# Altium PCB develboard_eva.PcbDoc (part 4 of 4)
Units mm, origin at the board's own origin, x right, y up, seen from the top; angles counter-clockwise.
Board outline 84 x 120 mm, 4 copper layers (Top Layer, Inner, GND, Bottom Layer), stack 1.668 mm thick; 201 components, 260 nets, 1028 pads, 870 vias.
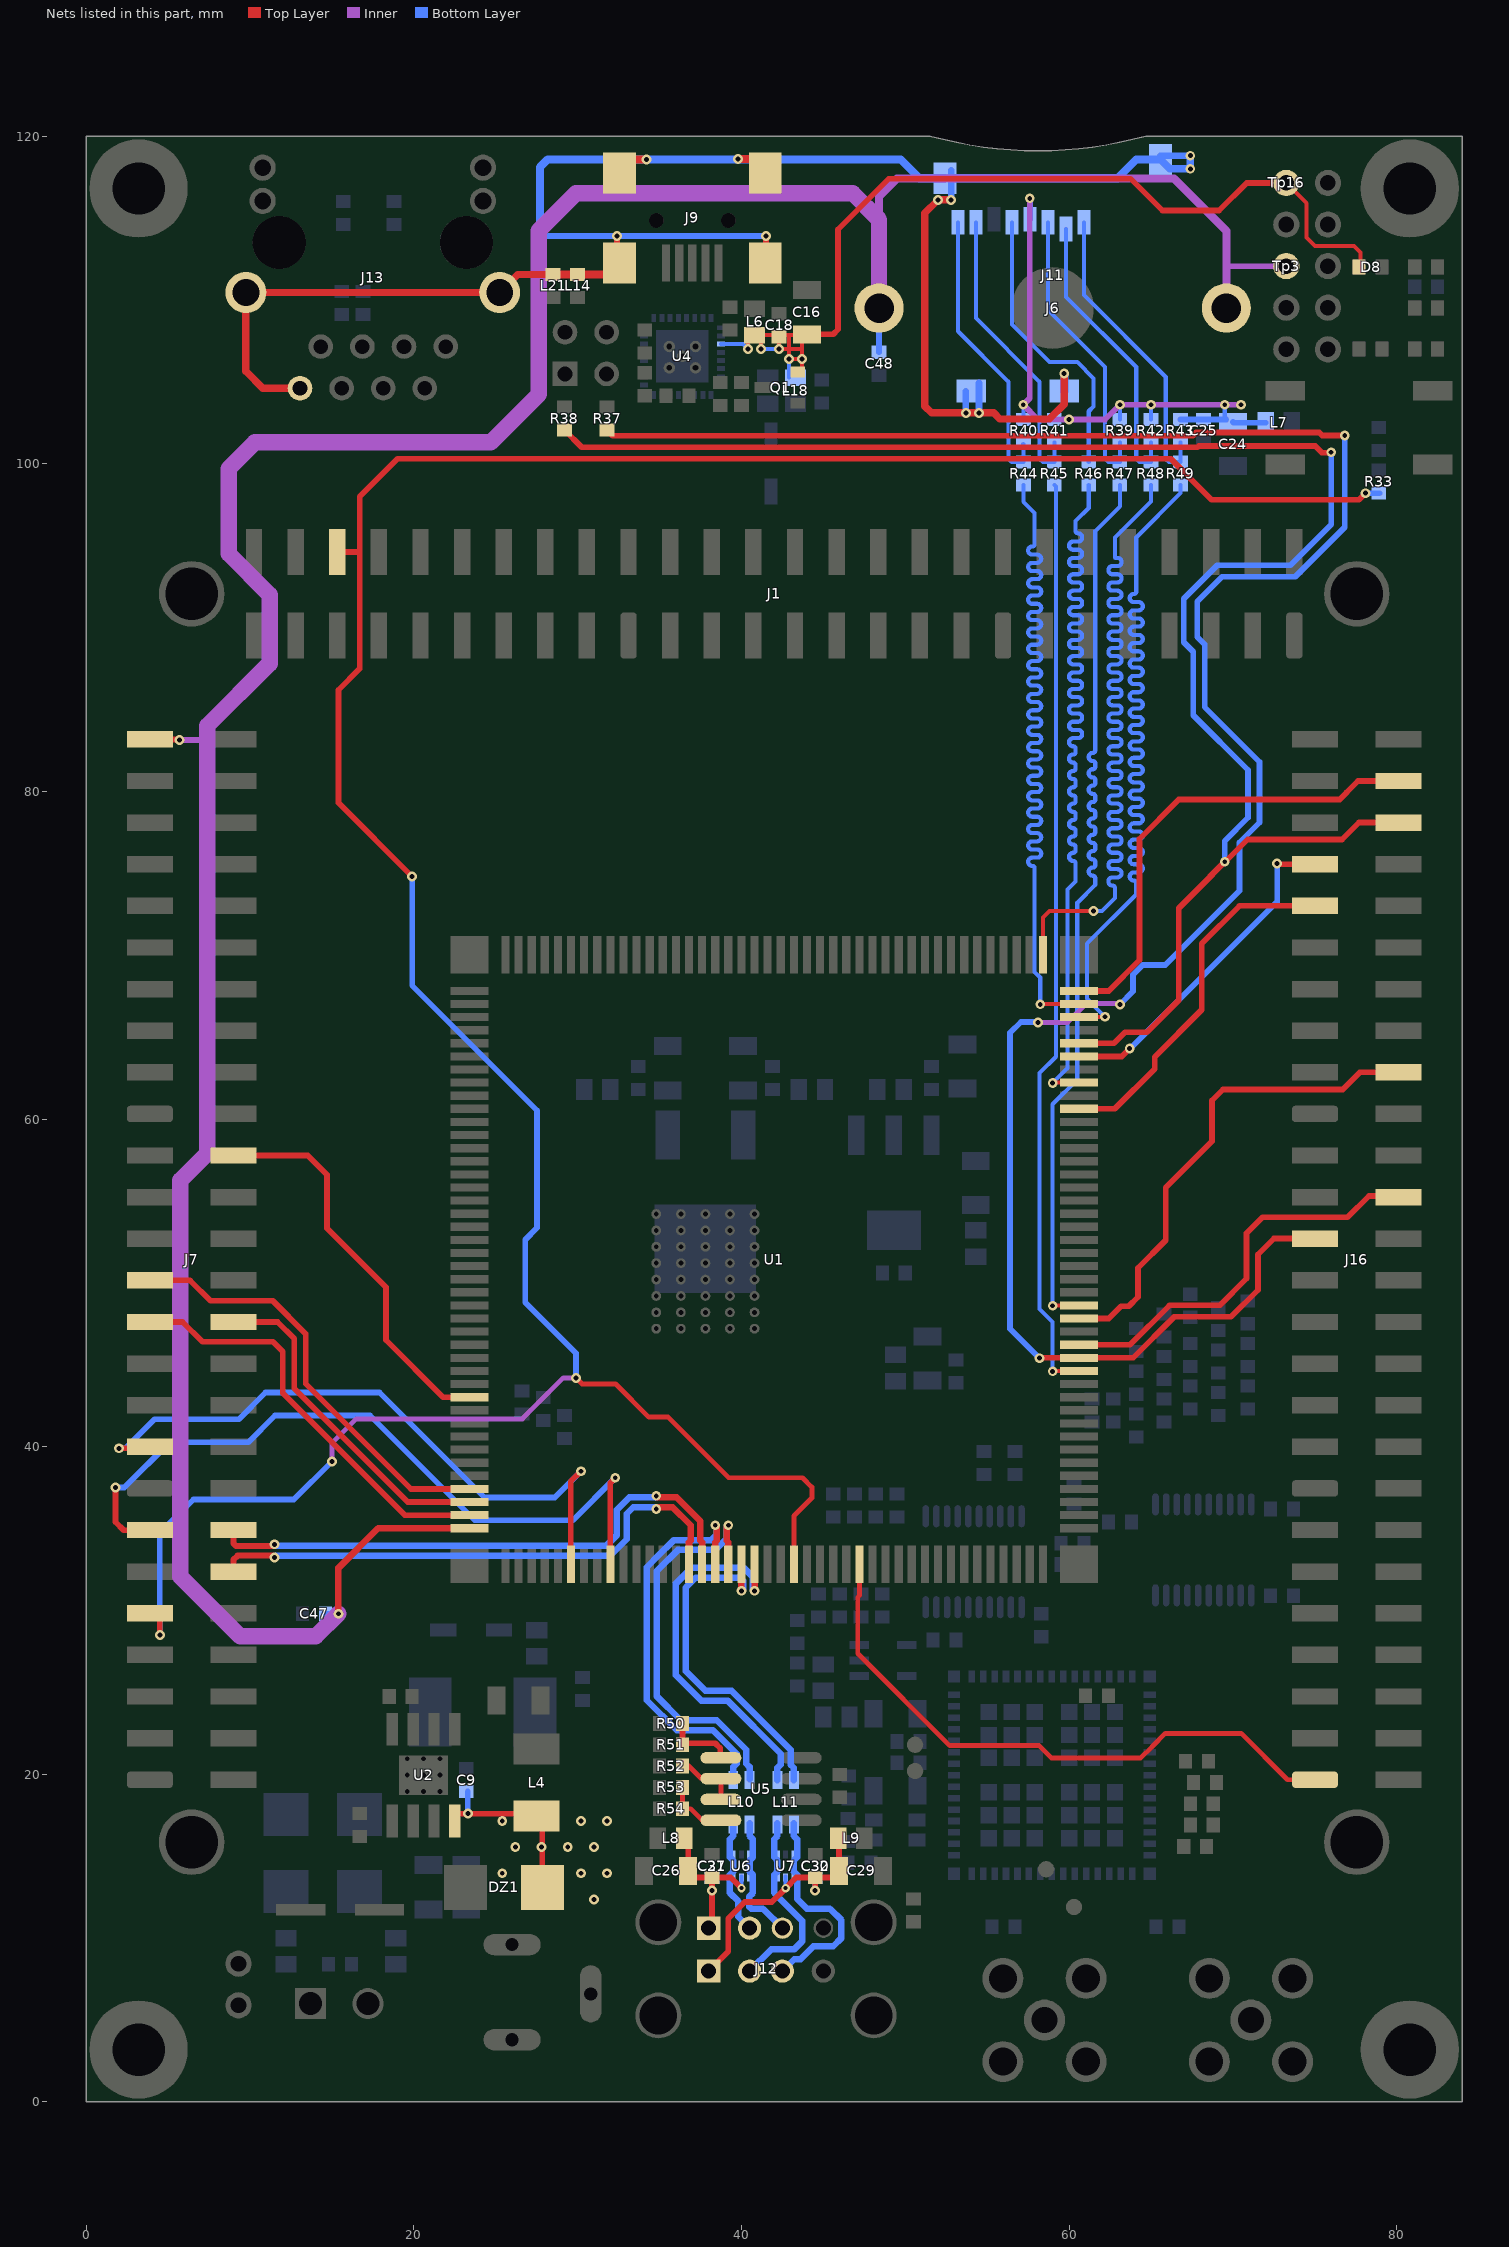
[diagram p6: the nets of this part, all layers, seen from the top]

## Via types
v1: diameter 0.6, hole 0.3, Top Layer to Bottom Layer, 866 vias
v2: diameter 0.5, hole 0.25, Top Layer to Bottom Layer, 4 vias

## Nets (pads, with @x,y where several pads share a name; then routed paths per layer and width w, separated by ;. In a path a pad name is that pad's centre, name@x,y a point inside that pad or via, vN(x,y) a via of type N, cw(c..) or ccw(c..) an arc to the next point about the centre after c; other vN are vias at no path point) (continued)
PE16_RXD3_TIOB0_M15: J16.25 R37.1 U1.14 | length 141.7
  Top Layer w0.35: R37.1@31.8,102.05 32.15,101.7 67.543,101.7 67.743,101.9 75.275,101.9 75.45,101.725 v1(76.825,101.725) ; v1(58.2,45.4) 58.225,45.425 60.6,45.425 U1.14@60.6,45.42 63.91,45.42 66.415,47.925 69.882,47.925 71.525,49.568 71.525,51.725 72.5,52.7 75.1,52.7 75.09,52.69 J16.25@75.01,52.69
  Inner w0.3: v1(58.1,65.9) 59.9,65.9 61.04,67.04 63.055,67.04 v1(63.1,66.995)
  Bottom Layer w0.35: v1(58.1,65.9) 58.075,65.925 57.058,65.925 56.4,65.267 56.4,47.2 v1(58.2,45.4) ; v1(63.1,66.995) 63.9,67.795 63.9,68.8 64.5,69.4 65.866,69.4 70.4,73.934 70.4,76.88 71.625,78.105 71.625,81.8 68.275,85.15 68.275,88.975 67.825,89.425 67.825,91.592 69.333,93.1 73.8,93.1 76.825,96.125 v1(76.825,101.725)
PE17_TXD3_TCLK0_N19: J16.6 R38.1 U1.38 | length 110.9
  Top Layer w0.35: R38.1@29.2,102.05 30.25,101 67.833,101 67.908,101.075 75.025,101.075 75.425,100.675 v1@76,100.675 ; U1.38@60.6,64.62 62.737,64.62 63.417,65.3 64.757,65.3 66.7,67.243 66.7,72.867 70.898,77.065 76.665,77.065 77.7,78.1 J16.6@80.3,78.1 ; 68.59,74.79 v1(69.5,75.7)
  Bottom Layer w0.35: v1(69.5,75.7) 69.5,76.97 70.925,78.395 70.925,81.3 67.575,84.65 67.575,88.525 67,89.1 67,91.757 69.043,93.8 73.51,93.8 76,96.29 v1(76,100.7)
PE18_MCI1_CK: J11.5 R46.2 | length 17.8
  Bottom Layer w0.25: J11.5@56.515,114.725 56.515,108.485 58.8,106.2 60.5,106.2 61.5,105.2 61.5,103.5 61.2,103.2 R46.2@61.2,100.1
PE18_TIOA5_MCI1_CK_P19: R46.1 U1.35 | length 57.3
  Top Layer w0.25: v1(59,62.2) 59.02,62.22 U1.35@60.6,62.22
  Bottom Layer w0.25: v1(59,62.2) 59.9,63.1 59.9,74 60.4,74.5 60.4,74.75 60.4,75.25 60.4,75.6 ccw(c60.25,75.6) 60.25,75.75 cw(c60.25,76) 60,76 cw(c60.25,76) 60.25,76.25 ccw(c60.25,76.4) 60.4,76.4 60.4,76.6 ccw(c60.25,76.6) 60.25,76.75 cw(c60.25,77) 60,77 cw(c60.25,77) 60.25,77.25 ccw(c60.25,77.4) 60.4,77.4 60.4,77.6 ccw(c60.25,77.6) 60.25,77.75 cw(c60.25,78) 60,78 cw(c60.25,78) 60.25,78.25 ccw(c60.25,78.4) 60.4,78.4 60.4,78.6 ccw(c60.25,78.6) 60.25,78.75 cw(c60.25,79) 60,79 cw(c60.25,79) 60.25,79.25 ccw(c60.25,79.4) 60.4,79.4 60.4,79.6 ccw(c60.25,79.6) 60.25,79.75 cw(c60.25,80) 60,80 cw(c60.25,80) 60.25,80.25 ccw(c60.25,80.4) 60.4,80.4 60.4,80.6 ccw(c60.25,80.6) 60.25,80.75 cw(c60.25,81) 60,81 cw(c60.25,81) 60.25,81.25 ccw(c60.25,81.4) 60.4,81.4 60.4,81.6 ccw(c60.25,81.6) 60.25,81.75 cw(c60.25,82) 60,82 cw(c60.25,82) 60.25,82.25 ccw(c60.25,82.4) 60.4,82.4 60.4,82.6 ccw(c60.25,82.6) 60.25,82.75 cw(c60.25,83) 60,83 cw(c60.25,83) 60.25,83.25 60.4,83.25 60.55,83.25 ccw(c60.55,83.5) 60.8,83.5 ccw(c60.55,83.5) 60.55,83.75 60.4,83.75 60.25,83.75 cw(c60.25,84) 60,84 cw(c60.25,84) 60.25,84.25 60.4,84.25 60.55,84.25 ccw(c60.55,84.5) 60.8,84.5 ccw(c60.55,84.5) 60.55,84.75 60.4,84.75 60.25,84.75 cw(c60.25,85) 60,85 cw(c60.25,85) 60.25,85.25 60.4,85.25 60.55,85.25 ccw(c60.55,85.5) 60.8,85.5 ccw(c60.55,85.5) 60.55,85.75 60.4,85.75 60.25,85.75 cw(c60.25,86) 60,86 cw(c60.25,86) 60.25,86.25 60.4,86.25 60.55,86.25 ccw(c60.55,86.5) 60.8,86.5 ccw(c60.55,86.5) 60.55,86.75 60.4,86.75 60.25,86.75 cw(c60.25,87) 60,87 cw(c60.25,87) 60.25,87.25 60.4,87.25 60.55,87.25 ccw(c60.55,87.5) 60.8,87.5 ccw(c60.55,87.5) 60.55,87.75 60.4,87.75 60.25,87.75 cw(c60.25,88) 60,88 cw(c60.25,88) 60.25,88.25 60.4,88.25 60.55,88.25 ccw(c60.55,88.5) 60.8,88.5 ccw(c60.55,88.5) 60.55,88.75 60.4,88.75 60.25,88.75 cw(c60.25,89) 60,89 cw(c60.25,89) 60.25,89.25 60.4,89.25 60.55,89.25 ccw(c60.55,89.5) 60.8,89.5 ccw(c60.55,89.5) 60.55,89.75 60.4,89.75 60.25,89.75 cw(c60.25,90) 60,90 cw(c60.25,90) 60.25,90.25 60.4,90.25 60.55,90.25 ccw(c60.55,90.5) 60.8,90.5 ccw(c60.55,90.5) 60.55,90.75 60.4,90.75 60.25,90.75 cw(c60.25,91) 60,91 cw(c60.25,91) 60.25,91.25 60.4,91.25 60.55,91.25 ccw(c60.55,91.5) 60.8,91.5 ccw(c60.55,91.5) 60.55,91.75 60.4,91.75 60.25,91.75 cw(c60.25,92) 60,92 cw(c60.25,92) 60.25,92.25 60.4,92.25 60.55,92.25 ccw(c60.55,92.5) 60.8,92.5 ccw(c60.55,92.5) 60.55,92.75 60.4,92.75 60.25,92.75 cw(c60.25,93) 60,93 cw(c60.25,93) 60.25,93.25 60.4,93.25 60.55,93.25 ccw(c60.55,93.5) 60.8,93.5 ccw(c60.55,93.5) 60.55,93.75 60.4,93.75 60.25,93.75 cw(c60.25,94) 60,94 cw(c60.25,94) 60.25,94.25 60.4,94.25 60.55,94.25 ccw(c60.55,94.5) 60.8,94.5 ccw(c60.55,94.5) 60.55,94.75 60.4,94.75 60.25,94.75 cw(c60.25,95) 60,95 cw(c60.25,95) 60.25,95.25 60.4,95.25 60.55,95.25 ccw(c60.55,95.5) 60.8,95.5 ccw(c60.55,95.5) 60.55,95.75 cw(c60.55,95.9) 60.4,95.9 60.4,96 60.4,96.5 61.2,97.3 R46.1@61.2,98.7
PE19_MCI1_CDA: J11.3 R39.2 R47.2 | length 18.1
  Bottom Layer w0.25: J11.3@58.715,114.725 58.715,109.385 62.2,105.9 62.2,100.3 62.4,100.1 R47.2@63.1,100.1 R39.2@63.1,101.3
PE19_TIOB5_MCI1_CDA_N16: R47.1 U1.18 | length 57.1
  Top Layer w0.25: v1(59,48.6) 59.02,48.62 U1.18@60.6,48.62
  Bottom Layer w0.25: v1(59,48.6) 59,60.9 60.5,62.4 60.5,73.2 61.6,74.3 61.6,74.6 61.6,74.7 ccw(c61.45,74.7) 61.45,74.85 cw(c61.45,75.1) 61.2,75.1 cw(c61.45,75.1) 61.45,75.35 ccw(c61.45,75.5) 61.6,75.5 61.6,75.7 ccw(c61.45,75.7) 61.45,75.85 cw(c61.45,76.1) 61.2,76.1 cw(c61.45,76.1) 61.45,76.35 ccw(c61.45,76.5) 61.6,76.5 61.6,76.7 ccw(c61.45,76.7) 61.45,76.85 cw(c61.45,77.1) 61.2,77.1 cw(c61.45,77.1) 61.45,77.35 ccw(c61.45,77.5) 61.6,77.5 61.6,77.7 ccw(c61.45,77.7) 61.45,77.85 cw(c61.45,78.1) 61.2,78.1 cw(c61.45,78.1) 61.45,78.35 ccw(c61.45,78.5) 61.6,78.5 61.6,78.7 ccw(c61.45,78.7) 61.45,78.85 cw(c61.45,79.1) 61.2,79.1 cw(c61.45,79.1) 61.45,79.35 ccw(c61.45,79.5) 61.6,79.5 61.6,79.7 ccw(c61.45,79.7) 61.45,79.85 cw(c61.45,80.1) 61.2,80.1 cw(c61.45,80.1) 61.45,80.35 ccw(c61.45,80.5) 61.6,80.5 61.6,80.7 ccw(c61.45,80.7) 61.45,80.85 cw(c61.45,81.1) 61.2,81.1 cw(c61.45,81.1) 61.45,81.35 ccw(c61.45,81.5) 61.6,81.5 61.6,81.7 ccw(c61.45,81.7) 61.45,81.85 cw(c61.45,82.1) 61.2,82.1 cw(c61.45,82.1) 61.45,82.35 ccw(c61.45,82.5) 61.6,82.5 61.6,93.2 61.6,95.9 63.1,97.4 R47.1@63.1,98.7
PE20_MCI1_DA0: J11.7 R41.2 R45.2 | length 18.2
  Bottom Layer w0.25: J11.7@54.315,114.725 54.315,108.885 58.2,105 58.2,100.3 58.4,100.1 R45.2@59.1,100.1 R41.2@59.1,101.3
PE20_TCLK5_MCI1_DA0_M14: R45.1 U1.13 | length 56.5
  Top Layer w0.25: v1(59,44.6) 59.02,44.62 U1.13@60.6,44.62
  Bottom Layer w0.25: v1(59,44.6) 59,47.6 58.2,48.4 58.2,62.8 59.2,63.8 59.2,98.6 R45.1@59.1,98.7
PE21_MCI1_DA1: J11.8 R40.2 R44.2 | length 17.8
  Bottom Layer w0.25: J11.8@53.215,114.725 53.215,108.085 56.3,105 56.3,100.3 56.5,100.1 R44.2@57.2,100.1 ; R40.2@57.2,101.2 57.225,101.175 R44.2@57.225,100.1
PE21_TIOA4_MCI1_DA1_M18: R44.1 U1.41 | length 57.2
  Top Layer w0.25: v1(58.24,67) 58.22,67.02 U1.41@60.6,67.02
  Bottom Layer w0.25: R44.1@57.225,98.7 57.225,97.675 57.9,97 57.9,95.8 57.9,95.1 cw(c57.75,95.1) 57.75,94.95 ccw(c57.75,94.7) 57.5,94.7 ccw(c57.75,94.7) 57.75,94.45 57.9,94.45 58.05,94.45 cw(c58.05,94.2) 58.3,94.2 cw(c58.05,94.2) 58.05,93.95 57.9,93.95 57.75,93.95 ccw(c57.75,93.7) 57.5,93.7 ccw(c57.75,93.7) 57.75,93.45 57.9,93.45 58.05,93.45 cw(c58.05,93.2) 58.3,93.2 cw(c58.05,93.2) 58.05,92.95 57.9,92.95 57.75,92.95 ccw(c57.75,92.7) 57.5,92.7 ccw(c57.75,92.7) 57.75,92.45 57.9,92.45 58.05,92.45 cw(c58.05,92.2) 58.3,92.2 cw(c58.05,92.2) 58.05,91.95 57.9,91.95 57.75,91.95 ccw(c57.75,91.7) 57.5,91.7 ccw(c57.75,91.7) 57.75,91.45 57.9,91.45 58.05,91.45 cw(c58.05,91.2) 58.3,91.2 cw(c58.05,91.2) 58.05,90.95 57.9,90.95 57.75,90.95 ccw(c57.75,90.7) 57.5,90.7 ccw(c57.75,90.7) 57.75,90.45 57.9,90.45 58.05,90.45 cw(c58.05,90.2) 58.3,90.2 cw(c58.05,90.2) 58.05,89.95 57.9,89.95 57.75,89.95 ccw(c57.75,89.7) 57.5,89.7 ccw(c57.75,89.7) 57.75,89.45 57.9,89.45 58.05,89.45 cw(c58.05,89.2) 58.3,89.2 cw(c58.05,89.2) 58.05,88.95 57.9,88.95 57.75,88.95 ccw(c57.75,88.7) 57.5,88.7 ccw(c57.75,88.7) 57.75,88.45 57.9,88.45 58.05,88.45 cw(c58.05,88.2) 58.3,88.2 cw(c58.05,88.2) 58.05,87.95 57.9,87.95 57.75,87.95 ccw(c57.75,87.7) 57.5,87.7 ccw(c57.75,87.7) 57.75,87.45 57.9,87.45 58.05,87.45 cw(c58.05,87.2) 58.3,87.2 cw(c58.05,87.2) 58.05,86.95 57.9,86.95 57.75,86.95 ccw(c57.75,86.7) 57.5,86.7 ccw(c57.75,86.7) 57.75,86.45 57.9,86.45 58.05,86.45 cw(c58.05,86.2) 58.3,86.2 cw(c58.05,86.2) 58.05,85.95 57.9,85.95 57.75,85.95 ccw(c57.75,85.7) 57.5,85.7 ccw(c57.75,85.7) 57.75,85.45 57.9,85.45 58.05,85.45 cw(c58.05,85.2) 58.3,85.2 cw(c58.05,85.2) 58.05,84.95 57.9,84.95 57.75,84.95 ccw(c57.75,84.7) 57.5,84.7 ccw(c57.75,84.7) 57.75,84.45 57.9,84.45 58.05,84.45 cw(c58.05,84.2) 58.3,84.2 cw(c58.05,84.2) 58.05,83.95 57.9,83.95 57.75,83.95 ccw(c57.75,83.7) 57.5,83.7 ccw(c57.75,83.7) 57.75,83.45 57.9,83.45 58.05,83.45 cw(c58.05,83.2) 58.3,83.2 cw(c58.05,83.2) 58.05,82.95 57.9,82.95 57.75,82.95 ccw(c57.75,82.7) 57.5,82.7 ccw(c57.75,82.7) 57.75,82.45 57.9,82.45 58.05,82.45 cw(c58.05,82.2) 58.3,82.2 cw(c58.05,82.2) 58.05,81.95 57.9,81.95 57.75,81.95 ccw(c57.75,81.7) 57.5,81.7 ccw(c57.75,81.7) 57.75,81.45 57.9,81.45 58.05,81.45 cw(c58.05,81.2) 58.3,81.2 cw(c58.05,81.2) 58.05,80.95 57.9,80.95 57.75,80.95 ccw(c57.75,80.7) 57.5,80.7 ccw(c57.75,80.7) 57.75,80.45 57.9,80.45 58.05,80.45 cw(c58.05,80.2) 58.3,80.2 cw(c58.05,80.2) 58.05,79.95 57.9,79.95 57.75,79.95 ccw(c57.75,79.7) 57.5,79.7 ccw(c57.75,79.7) 57.75,79.45 57.9,79.45 58.05,79.45 cw(c58.05,79.2) 58.3,79.2 cw(c58.05,79.2) 58.05,78.95 57.9,78.95 57.75,78.95 ccw(c57.75,78.7) 57.5,78.7 ccw(c57.75,78.7) 57.75,78.45 57.9,78.45 58.05,78.45 cw(c58.05,78.2) 58.3,78.2 cw(c58.05,78.2) 58.05,77.95 57.9,77.95 57.75,77.95 ccw(c57.75,77.7) 57.5,77.7 ccw(c57.75,77.7) 57.75,77.45 57.9,77.45 58.05,77.45 cw(c58.05,77.2) 58.3,77.2 cw(c58.05,77.2) 58.05,76.95 57.9,76.95 57.75,76.95 ccw(c57.75,76.7) 57.5,76.7 ccw(c57.75,76.7) 57.75,76.45 57.9,76.45 58.05,76.45 cw(c58.05,76.2) 58.3,76.2 cw(c58.05,76.2) 58.05,75.95 57.9,75.95 57.75,75.95 ccw(c57.75,75.7) 57.5,75.7 ccw(c57.75,75.7) 57.75,75.45 cw(c57.75,75.3) 57.9,75.3 57.9,75.2 57.9,68.98 58.24,68.64 v1(58.24,67)
PE22_MCI1_DA2: J11.1 R43.2 R49.2 | length 18.7
  Bottom Layer w0.25: J11.1@60.915,114.725 60.915,110.285 65.9,105.3 65.9,100.3 66.1,100.1 R49.2@66.8,100.1 R43.2@66.8,101.3
PE22_TIOB4_MCI1_DA2_M19: R49.1 U1.40 | length 57.2
  Top Layer w0.25: U1.40@60.6,66.22 62.18,66.22 v1(62.2,66.24)
  Bottom Layer w0.25: v1(62.2,66.24) 61.1,67.34 61.1,70.7 64.1,73.7 64.1,74.3 64.1,74.4 ccw(c63.95,74.4) 63.95,74.55 cw(c63.95,74.8) 63.7,74.8 cw(c63.95,74.8) 63.95,75.05 64.1,75.05 64.25,75.05 ccw(c64.25,75.3) 64.5,75.3 ccw(c64.25,75.3) 64.25,75.55 64.1,75.55 63.95,75.55 cw(c63.95,75.8) 63.7,75.8 cw(c63.95,75.8) 63.95,76.05 64.1,76.05 64.25,76.05 ccw(c64.25,76.3) 64.5,76.3 ccw(c64.25,76.3) 64.25,76.55 64.1,76.55 63.95,76.55 cw(c63.95,76.8) 63.7,76.8 cw(c63.95,76.8) 63.95,77.05 64.1,77.05 64.25,77.05 ccw(c64.25,77.3) 64.5,77.3 ccw(c64.25,77.3) 64.25,77.55 64.1,77.55 63.95,77.55 cw(c63.95,77.8) 63.7,77.8 cw(c63.95,77.8) 63.95,78.05 64.1,78.05 64.25,78.05 ccw(c64.25,78.3) 64.5,78.3 ccw(c64.25,78.3) 64.25,78.55 64.1,78.55 63.95,78.55 cw(c63.95,78.8) 63.7,78.8 cw(c63.95,78.8) 63.95,79.05 64.1,79.05 64.25,79.05 ccw(c64.25,79.3) 64.5,79.3 ccw(c64.25,79.3) 64.25,79.55 64.1,79.55 63.95,79.55 cw(c63.95,79.8) 63.7,79.8 cw(c63.95,79.8) 63.95,80.05 64.1,80.05 64.25,80.05 ccw(c64.25,80.3) 64.5,80.3 ccw(c64.25,80.3) 64.25,80.55 64.1,80.55 63.95,80.55 cw(c63.95,80.8) 63.7,80.8 cw(c63.95,80.8) 63.95,81.05 64.1,81.05 64.25,81.05 ccw(c64.25,81.3) 64.5,81.3 ccw(c64.25,81.3) 64.25,81.55 64.1,81.55 63.95,81.55 cw(c63.95,81.8) 63.7,81.8 cw(c63.95,81.8) 63.95,82.05 64.1,82.05 64.25,82.05 ccw(c64.25,82.3) 64.5,82.3 ccw(c64.25,82.3) 64.25,82.55 64.1,82.55 63.95,82.55 cw(c63.95,82.8) 63.7,82.8 cw(c63.95,82.8) 63.95,83.05 64.1,83.05 64.25,83.05 ccw(c64.25,83.3) 64.5,83.3 ccw(c64.25,83.3) 64.25,83.55 64.1,83.55 63.95,83.55 cw(c63.95,83.8) 63.7,83.8 cw(c63.95,83.8) 63.95,84.05 64.1,84.05 64.25,84.05 ccw(c64.25,84.3) 64.5,84.3 ccw(c64.25,84.3) 64.25,84.55 64.1,84.55 63.95,84.55 cw(c63.95,84.8) 63.7,84.8 cw(c63.95,84.8) 63.95,85.05 64.1,85.05 64.25,85.05 ccw(c64.25,85.3) 64.5,85.3 ccw(c64.25,85.3) 64.25,85.55 64.1,85.55 63.95,85.55 cw(c63.95,85.8) 63.7,85.8 cw(c63.95,85.8) 63.95,86.05 64.1,86.05 64.25,86.05 ccw(c64.25,86.3) 64.5,86.3 ccw(c64.25,86.3) 64.25,86.55 64.1,86.55 63.95,86.55 cw(c63.95,86.8) 63.7,86.8 cw(c63.95,86.8) 63.95,87.05 64.1,87.05 64.25,87.05 ccw(c64.25,87.3) 64.5,87.3 ccw(c64.25,87.3) 64.25,87.55 64.1,87.55 63.95,87.55 cw(c63.95,87.8) 63.7,87.8 cw(c63.95,87.8) 63.95,88.05 64.1,88.05 64.25,88.05 ccw(c64.25,88.3) 64.5,88.3 ccw(c64.25,88.3) 64.25,88.55 64.1,88.55 63.95,88.55 cw(c63.95,88.8) 63.7,88.8 cw(c63.95,88.8) 63.95,89.05 64.1,89.05 64.25,89.05 ccw(c64.25,89.3) 64.5,89.3 ccw(c64.25,89.3) 64.25,89.55 64.1,89.55 63.95,89.55 cw(c63.95,89.8) 63.7,89.8 cw(c63.95,89.8) 63.95,90.05 64.1,90.05 64.25,90.05 ccw(c64.25,90.3) 64.5,90.3 ccw(c64.25,90.3) 64.25,90.55 64.1,90.55 63.95,90.55 cw(c63.95,90.8) 63.7,90.8 cw(c63.95,90.8) 63.95,91.05 64.1,91.05 64.25,91.05 ccw(c64.25,91.3) 64.5,91.3 ccw(c64.25,91.3) 64.25,91.55 64.1,91.55 63.95,91.55 cw(c63.95,91.8) 63.7,91.8 cw(c63.95,91.8) 63.95,92.05 ccw(c63.95,92.2) 64.1,92.2 64.1,94.7 64.1,95.5 66.8,98.2 R49.1@66.8,98.7
PE23_MCI1_DA3: J11.2 R42.2 R48.2 | length 18
  Bottom Layer w0.25: J11.2@59.815,114.325 59.815,110.185 64.1,105.9 64.1,100.3 64.3,100.1 R48.2@65,100.1 R42.2@65,101.3
PE23_TCLK4_MCI_DA3_L18: R48.1 U1.43 | length 56.6
  Top Layer w0.25: U1.43@58.4,70.02 58.4,72.3 58.8,72.7 v1(61.5,72.7)
  Bottom Layer w0.25: v1(61.5,72.7) 62,72.7 62.8,73.5 62.8,74 62.8,74.1 ccw(c62.65,74.1) 62.65,74.25 cw(c62.65,74.5) 62.4,74.5 cw(c62.65,74.5) 62.65,74.75 62.8,74.75 62.95,74.75 ccw(c62.95,75) 63.2,75 ccw(c62.95,75) 62.95,75.25 62.8,75.25 62.65,75.25 cw(c62.65,75.5) 62.4,75.5 cw(c62.65,75.5) 62.65,75.75 62.8,75.75 62.95,75.75 ccw(c62.95,76) 63.2,76 ccw(c62.95,76) 62.95,76.25 62.8,76.25 62.65,76.25 cw(c62.65,76.5) 62.4,76.5 cw(c62.65,76.5) 62.65,76.75 62.8,76.75 62.95,76.75 ccw(c62.95,77) 63.2,77 ccw(c62.95,77) 62.95,77.25 62.8,77.25 62.65,77.25 cw(c62.65,77.5) 62.4,77.5 cw(c62.65,77.5) 62.65,77.75 62.8,77.75 62.95,77.75 ccw(c62.95,78) 63.2,78 ccw(c62.95,78) 62.95,78.25 62.8,78.25 62.65,78.25 cw(c62.65,78.5) 62.4,78.5 cw(c62.65,78.5) 62.65,78.75 62.8,78.75 62.95,78.75 ccw(c62.95,79) 63.2,79 ccw(c62.95,79) 62.95,79.25 62.8,79.25 62.65,79.25 cw(c62.65,79.5) 62.4,79.5 cw(c62.65,79.5) 62.65,79.75 62.8,79.75 62.95,79.75 ccw(c62.95,80) 63.2,80 ccw(c62.95,80) 62.95,80.25 62.8,80.25 62.65,80.25 cw(c62.65,80.5) 62.4,80.5 cw(c62.65,80.5) 62.65,80.75 62.8,80.75 62.95,80.75 ccw(c62.95,81) 63.2,81 ccw(c62.95,81) 62.95,81.25 62.8,81.25 62.65,81.25 cw(c62.65,81.5) 62.4,81.5 cw(c62.65,81.5) 62.65,81.75 62.8,81.75 62.95,81.75 ccw(c62.95,82) 63.2,82 ccw(c62.95,82) 62.95,82.25 62.8,82.25 62.65,82.25 cw(c62.65,82.5) 62.4,82.5 cw(c62.65,82.5) 62.65,82.75 62.8,82.75 62.95,82.75 ccw(c62.95,83) 63.2,83 ccw(c62.95,83) 62.95,83.25 62.8,83.25 62.65,83.25 cw(c62.65,83.5) 62.4,83.5 cw(c62.65,83.5) 62.65,83.75 62.8,83.75 62.95,83.75 ccw(c62.95,84) 63.2,84 ccw(c62.95,84) 62.95,84.25 62.8,84.25 62.65,84.25 cw(c62.65,84.5) 62.4,84.5 cw(c62.65,84.5) 62.65,84.75 62.8,84.75 62.95,84.75 ccw(c62.95,85) 63.2,85 ccw(c62.95,85) 62.95,85.25 62.8,85.25 62.65,85.25 cw(c62.65,85.5) 62.4,85.5 cw(c62.65,85.5) 62.65,85.75 62.8,85.75 62.95,85.75 ccw(c62.95,86) 63.2,86 ccw(c62.95,86) 62.95,86.25 62.8,86.25 62.65,86.25 cw(c62.65,86.5) 62.4,86.5 cw(c62.65,86.5) 62.65,86.75 62.8,86.75 62.95,86.75 ccw(c62.95,87) 63.2,87 ccw(c62.95,87) 62.95,87.25 62.8,87.25 62.65,87.25 cw(c62.65,87.5) 62.4,87.5 cw(c62.65,87.5) 62.65,87.75 62.8,87.75 62.95,87.75 ccw(c62.95,88) 63.2,88 ccw(c62.95,88) 62.95,88.25 62.8,88.25 62.65,88.25 cw(c62.65,88.5) 62.4,88.5 cw(c62.65,88.5) 62.65,88.75 62.8,88.75 62.95,88.75 ccw(c62.95,89) 63.2,89 ccw(c62.95,89) 62.95,89.25 62.8,89.25 62.65,89.25 cw(c62.65,89.5) 62.4,89.5 cw(c62.65,89.5) 62.65,89.75 62.8,89.75 62.95,89.75 ccw(c62.95,90) 63.2,90 ccw(c62.95,90) 62.95,90.25 62.8,90.25 62.65,90.25 cw(c62.65,90.5) 62.4,90.5 cw(c62.65,90.5) 62.65,90.75 62.8,90.75 62.95,90.75 ccw(c62.95,91) 63.2,91 ccw(c62.95,91) 62.95,91.25 62.8,91.25 62.65,91.25 cw(c62.65,91.5) 62.4,91.5 cw(c62.65,91.5) 62.65,91.75 62.8,91.75 62.95,91.75 ccw(c62.95,92) 63.2,92 ccw(c62.95,92) 62.95,92.25 62.8,92.25 62.65,92.25 cw(c62.65,92.5) 62.4,92.5 cw(c62.65,92.5) 62.65,92.75 62.8,92.75 62.95,92.75 ccw(c62.95,93) 63.2,93 ccw(c62.95,93) 62.95,93.25 62.8,93.25 62.65,93.25 cw(c62.65,93.5) 62.4,93.5 cw(c62.65,93.5) 62.65,93.75 62.8,93.75 62.95,93.75 ccw(c62.95,94) 63.2,94 ccw(c62.95,94) 62.95,94.25 62.85,94.25 cw(c62.85,94.3) 62.8,94.3 62.8,95.5 65,97.7 R48.1@65,98.7
PE24_RTS3_L19: J16.9 U1.33 | length 22.3
  Top Layer w0.35: U1.33@60.6,60.62 62.787,60.62 65.225,63.058 65.225,63.788 68.1,66.663 68.1,70.71 70.4,73.01 J16.9@75.01,73.01
PE25_SCK4_IRQ_M17: J16.7 U1.37 | length 20.7
  Top Layer w0.35: U1.37@60.6,63.82 63.22,63.82 v1(63.7,64.3) ; v1(72.7,75.6) 72.75,75.55 J16.7@75.01,75.55
  Bottom Layer w0.35: v1(63.7,64.3) 63.735,64.3 72.7,73.265 v1(72.7,75.6)
PE26_RXD4_L15: J16.24 U1.15 | length 24.8
  Top Layer w0.35: U1.15@60.6,46.22 63.72,46.22 66.125,48.625 69.192,48.625 70.825,50.258 70.825,53.025 71.8,54 77,54 78.3,55.3 J16.24@80,55.3
PE27_TXD4_M16: J16.18 U1.17 | length 30.1
  Top Layer w0.35: U1.17@60.6,47.82 62.42,47.82 63.175,48.575 63.642,48.575 64.2,49.133 64.2,50.9 65.9,52.6 65.9,55.82 68.725,58.645 68.725,61.125 69.4,61.8 76.7,61.8 77.75,62.85 J16.18@80.11,62.85
PE28_RTS4_L17: J16.4 U1.42 | length 29.2
  Top Layer w0.35: U1.42@60.6,67.82 62.42,67.82 64.3,69.7 64.3,77.1 66.7,79.5 76.522,79.5 76.935,79.913 76.935,79.935 77.63,80.63 J16.4@80.11,80.63
PE29_DIBP_URXD0_TWD1_V1: J7.27 U1.123 | length 26.6
  Top Layer w0.35: J7.27@3.89,50.15 6.348,50.15 7.598,48.9 11.39,48.9 13.399,46.891 13.399,43.847 19.827,37.42 U1.123@23.4,37.42
PE30_DIBN_UTXD0_TWCK1_U2: J7.29 U1.125 | length 25.9
  Top Layer w0.35: J7.29@3.89,47.61 5.89,47.61 7.1,46.4 11.4,46.4 11.999,45.801 11.999,43.268 19.447,35.82 U1.125@23.4,35.82
PE31_ADTRG_L4: J7.22 U1.116 | length 24.3
  Top Layer w0.35: J7.22@8.99,57.77 13.53,57.77 14.7,56.6 14.7,53.33 18.3,49.73 18.3,46.51 21.79,43.02 U1.116@23.4,43.02
PIOBU0_U3: J7.39 U1.135 | length 45.8
  Top Layer w0.35: v1(1.8,37.5) 1.8,35.4 2.3,34.9 J7.39@3.86,34.9 ; U1.135@32,32.82 32,37.8 v1(32.3,38.1)
  Bottom Layer w0.35: v1(1.8,37.5) 2.33,37.5 5.105,40.275 9.908,40.275 11.533,41.9 17.33,41.9 23.73,35.5 29.7,35.5 v1(32.3,38.1)
PIOBU1: J16.51 U1.154 | length 37.8
  Top Layer w0.3: U1.154@47.2,32.82 47.2,31.3 47.2,30.908 47.1,30.808 47.1,27.372 52.722,21.75 58.173,21.75 58.923,21 64.377,21 65.1,21.723 65.1,21.731 65.869,22.5 70.5,22.5 73.33,19.67 J16.51@75.01,19.67
RESET: J1.6 J7.43 R33.2 U1.149 | length 186.7
  Top Layer w0.3: v1(29.9,44.2) 30.269,43.831 32.314,43.831 34.345,41.8 35.523,41.8 39.223,38.1 43.731,38.1 44.3,37.531 44.3,36.869 43.2,35.769 U1.149@43.2,32.82
  Top Layer w0.35: v1(4.5,28.5) 4.5,29.4 J7.43@4.9,29.8 ; J1.6@15.33,94.61 16.7,94.61 ; v1(19.9,74.8) 15.4,79.3 15.4,86.19 16.7,87.49 16.7,94.61 ; v1(78.1,98.2) 77.7,97.8 68.7,97.8 66.2,100.3 19,100.3 16.7,98 16.7,94.61
  Inner w0.3: v1(15,39.1) 15,40.2 16.5,41.7 26.631,41.7 29.131,44.2 v1(29.9,44.2)
  Bottom Layer w0.35: v1(4.5,28.5) 4.5,34.72 6.555,36.775 12.675,36.775 v1(15,39.1) ; v1(19.9,74.8) 19.9,68.147 27.525,60.522 27.525,53.36 26.8,52.635 26.8,48.8 29.9,45.7 v1(29.9,44.2) ; v1(78.1,98.2) R33.2@78.9,98.2 R33.2@78.95,98.2
SHDN_T2: J7.30 U1.124 | length 20.7
  Top Layer w0.35: J7.30@8.99,47.61 11.69,47.61 12.699,46.601 12.699,43.557 19.637,36.62 U1.124@23.4,36.62
SHLD: J9.Z1 J9.Z2 J9.Z3 J9.Z4 J11.Z1 J11.Z2 J11.Z3 J11.Z4 J13.8 J13.15 J13.16 L14.1 L21.1 | length 131.8
  Top Layer w0.35: J9.Z2@32.4,112.3 v1(32.4,113.9) ; J9.Z1@41.5,112.3 v1(41.5,113.9)
  Top Layer w0.45: J13.8@13.055,104.61 10.79,104.61 9.755,105.645 J13.15@9.755,110.45 J13.16@25.245,110.45 26.345,111.55 L21.1@28.5,111.55 ; v1(52.8,116.1) v1(52,116.1) 51.2,115.3 51.2,103.5 51.6,103.1 v1(53.7,103.1) v1(54.5,103.1) 55.4,103.1 55.775,102.725 58.788,102.725 59.7,103.637 v1(59.7,105.5)
  Top Layer w0.5: L21.1@28.5,111.55 L14.1@30,111.55 31.85,111.55 J9.Z2@32.55,112.25 ; J9.Z3@32.55,117.75 33.375,118.575 v1(34.2,118.575) ; v1(39.8,118.6) 40.625,118.6 J9.Z4@41.45,117.775
  Bottom Layer w0.35: 27.7,114 27.8,113.9 v1(32.4,113.9) v1(41.5,113.9)
  Bottom Layer w0.4: v1(52.8,116.1) 52.8,117.425 J11.Z2@52.8,117.925 ; v1(53.7,103.1) J11.Z4@53.7,104.425 ; J11.Z4@54.5,104.425 J11.Z4@54.5,104.925 ; J11.Z1@65.575,118.8 v1(67.4,118.8)
  Bottom Layer w0.45: J11.Z2@52.425,117.425 J11.Z2@52.8,117.425 ; v1(54.5,103.1) J11.Z4@54.5,104.425 ; J11.Z1@65.575,118.575 66.15,118 v1(67.4,118) v1(67.4,118.8)
  Bottom Layer w0.5: 27.7,114 27.7,118.1 28.175,118.575 v1(34.2,118.575) 49.725,118.575 50.875,117.425 J11.Z2@52.425,117.425 ; J11.Z2@52.8,117.425 62.95,117.425 64.1,118.575 J11.Z1@65.575,118.575 ; v1(59.7,105.5) 59.715,105.485 J11.Z3@59.715,104.425
SW_5V: C9.2 DZ1.1 L4.1 U2.8 | length 11.3
  Top Layer w0.35: U2.8@22.505,17.15 22.505,17.555 22.55,17.6 v1(23.3,17.6) 27.35,17.6 L4.1@27.5,17.45 27.849,17.1 DZ1.1@27.849,13.1
  Bottom Layer w0.35: v1(23.3,17.6) C9.2@23.3,18.95
  other v1: 30.999,12.359 25.399,13.959 30.199,13.959 31.799,13.959 26.199,15.559 27.799,15.559 29.399,15.559 30.999,15.559 25.399,17.159 30.199,17.159 31.799,17.159
U1_N: J12.A2 L10.2 U6.1 U6.6 | length 7.1
  Bottom Layer w0.4: L10.2@39.5,17 39.5,16.24 39.3,16.04 39.3,14.937 39.5,14.737 39.5,14.063 39.3,13.863 39.3,12.76 39.8,12.26 39.8,11.31 J12.A2@40.5,10.61
U1_P: J12.A3 L10.3 U6.3 U6.4 | length 8
  Bottom Layer w0.4: L10.3@40.5,17 40.5,16.24 40.7,16.04 40.7,14.937 40.5,14.737 40.5,14.063 40.7,13.863 40.7,12.76 40.47,12.53 40.47,11.93 40.6,11.8 41.31,11.8 J12.A3@42.5,10.61
U2_N: J12.B2 L11.2 U7.1 U7.6 | length 12.1
  Bottom Layer w0.4: J12.B2@40.5,7.99 41.82,9.31 43.21,9.31 43.7,9.8 43.7,11.06 42,12.76 42,13.863 42.2,14.063 42.2,14.737 42,14.937 42,16.04 42.2,16.24 L11.2@42.2,17
U2_P: J12.B3 L11.3 U7.3 U7.4 | length 13.6
  Bottom Layer w0.4: J12.B3@42.5,7.99 43.22,8.71 43.61,8.71 44.4,9.5 45.6,9.5 46.1,10 46.1,11.1 45.4,11.8 44,11.8 43.4,12.4 43.4,13.863 43.2,14.063 43.2,14.737 43.4,14.937 43.4,16.04 43.2,16.24 L11.3@43.2,17
USB1_EN: R50.2 R51.2 U5.1 | length 4.4
  Top Layer w0.35: R50.2@36.4,23.1 R51.2@36.4,21.8 36.5,21.9 38.4,21.9 38.7,21.6 38.7,21.055 U5.1@38.75,21.005
USB1_N: L10.1 U1.143 | length 24.7
  Top Layer w0.4: U1.143@38.4,32.82 38.4,34.17 38.5,34.27 38.5,35.1 v1(38.4,35.2)
  Bottom Layer w0.4: v1(38.4,35.2) 38.5,35.1 38.5,34.649 38.151,34.3 35.88,34.3 34.854,33.274 34.4,32.82 34.224,32.644 34.224,24.527 36.051,22.7 38.251,22.7 39.7,21.251 39.7,20.65 39.5,20.45 L10.1@39.5,19.7
USB1_P: L10.4 U1.144 | length 24.7
  Top Layer w0.4: U1.144@39.2,32.82 39.2,34.17 39.1,34.27 39.1,35.1 v1(39.2,35.2)
  Bottom Layer w0.4: v1(39.2,35.2) 39.1,35.1 39.1,34.4 38.4,33.7 36.129,33.7 34.824,32.396 34.824,24.776 36.3,23.3 38.5,23.3 40.3,21.5 40.3,20.65 40.5,20.45 L10.4@40.5,19.7
USB2_EN: R53.2 R54.2 U5.4 | length 3.9
  Top Layer w0.3: R53.2@36.4,19.2 R54.2@36.4,17.9 36.9,17.9 37.605,17.195 U5.4@38.75,17.195
USB2_N: L11.1 U1.146 | length 23.5
  Top Layer w0.4: v1(40.8,31.2) U1.146@40.8,32.82
  Bottom Layer w0.4: v1(40.8,31.2) 40.7,31.3 40.7,32.049 40.149,32.6 36.951,32.6 36,31.649 36,26.051 37.551,24.5 39.151,24.5 42.4,21.251 42.4,20.6 42.2,20.4 L11.1@42.2,19.65
USB2_P: L11.4 U1.145 | length 21.5
  Top Layer w0.4: v1(40,31.2) U1.145@40,32.82
  Bottom Layer w0.4: v1(40,31.2) 40.1,31.3 40.1,31.8 39.9,32 37.2,32 36.6,31.4 36.6,26.3 37.8,25.1 39.4,25.1 43,21.5 43,20.6 43.2,20.4 L11.4@43.2,19.65
USB_OTG_N: J7.42 U1.141 | length 33.9
  Top Layer w0.38: J7.42@8.99,32.37 8.99,33.09 9.25,33.35 11.39,33.35 v1(11.5,33.24)
  Top Layer w0.4: v1(34.8,36.2) 34.9,36.3 35.8,36.3 36.9,35.2 36.9,34.27 36.8,34.17 U1.141@36.8,32.82
  Bottom Layer w0.4: v1(11.5,33.24) 11.6,33.34 31.989,33.34 33,34.351 33,35.9 33.4,36.3 34.7,36.3 v1(34.8,36.2)
USB_OTG_P: J7.40 U1.142 | length 35
  Top Layer w0.38: J7.40@8.99,34.91 8.99,34.11 9.17,33.93 11.39,33.93 v1(11.5,34.04)
  Top Layer w0.4: v1(34.8,37) 34.9,36.9 36.049,36.9 37.5,35.449 37.5,34.27 37.6,34.17 U1.142@37.6,32.82
  Bottom Layer w0.4: v1(11.5,34.04) 11.6,33.94 31.74,33.94 32.4,34.6 32.4,36.149 33.151,36.9 34.7,36.9 v1(34.8,37)
USB_OVCUR: R52.2 U5.2 U5.3 | length 3.9
  Top Layer w0.3: R52.2@36.4,20.5 36.8,20.5 37.565,19.735 U5.2@38.75,19.735 U5.3@38.75,18.465
VBATT: C47.2 C48.2 J6.P1 J6.P2 J7.1 Tp3.1 U1.126 | length 193
  Top Layer w0.35: J7.1@3.89,83.17 5.67,83.17 v1(5.7,83.14)
  Top Layer w0.4: v1(15.4,29.8) 15.4,32.6 17.82,35.02 U1.126@23.4,35.02
  Inner w0.35: v1(5.7,83.14) 7.3,83.14 7.4,83.04 ; 69.6,112.1 69.64,112.06 Tp3.1@73.26,112.06
  Inner w0.5: 48.4,114.9 48.4,116.3 49.5,117.4 66.4,117.4 69.6,114.2 69.6,112.1 J6.P2@69.6,109.5
  Inner w1: v1(15.4,29.8) 14.025,28.425 9.397,28.425 5.75,32.071 5.75,56.25 7.4,57.9 7.4,83.04 7.4,84 11.2,87.8 11.2,92 8.7,94.5 8.7,99.7 10.3,101.3 24.7,101.3 27.63,104.23 27.63,114.23 29.9,116.5 46.8,116.5 48.4,114.9 J6.P1@48.4,109.5 J6.P1@48.3,109.5
  Bottom Layer w0.35: C47.2@14.6,29.8 v1(15.4,29.8) ; C48.2@48.4,106.8 J6.P1@48.4,109.5
VBUS1: C26.1 C27.1 C31.2 J12.A1 L8.1 U6.5 | length 10.5
  Top Layer w0.35: L8.1@36.5,16.1 36.75,15.85 C26.1@36.75,14.1 37.15,13.7 C27.1@38.2,13.7 ; J12.A1@38,10.61 38.2,10.81 C27.1@38.2,13.7 ; v2(40,13.05) 39.35,13.7 C27.1@38.2,13.7
  Bottom Layer w0.25: v2(40,13.05) U6.5@40,13.75
  Bottom Layer w0.35: v1(38.2,12.9) C31.2@38.2,13.7
VBUS2: C29.1 C30.1 C32.2 J12.B1 L9.1 U7.5 | length 16
  Top Layer w0.35: J12.B1@38,7.99 39.2,9.19 39.2,11.2 40.2,12.2 41.85,12.2 v2(42.7,13.05) 43.35,13.7 C30.1@44.5,13.7 ; v1(44.5,12.9) C30.1@44.5,13.7 ; L9.1@45.9,16.1 45.95,16.05 C29.1@45.95,14.1 45.55,13.7 C30.1@44.5,13.7
  Bottom Layer w0.25: v2(42.7,13.05) U7.5@42.7,13.75
  Bottom Layer w0.35: v1(44.5,12.9) C32.2@44.5,13.7
VCC_USB: C16.1 C18.1 D8.1 L6.1 L18.2 Q1.2 Tp16.1 U4.19 | length 62.7
  Top Layer w0.25: v1(40.4,107) 40.4,107.45 L6.1@40.8,107.85 ; v1(41.2,107) 41.2,107.45 L6.1@40.8,107.85 ; C18.1@42.3,107.75 v1(42.3,107) 42.9,107 ; Q1.2@43.438,105.6 43.7,105.862 v1(43.7,106.4) ; C16.1@44,107.9 C16.1@43.7,107.6 ; Tp16.1@73.26,117.14 74.5,115.9 74.5,113.8 75,113.3 77.4,113.3 77.8,112.9 D8.1@77.8,112 ; L6.1@40.8,107.85 42.9,107.85 ; 42.9,107 v1(42.9,106.4) v1(43.7,106.4) ; 42.9,107 42.9,107.85 ; 42.9,107 43.6,107 43.7,107.1 ; 42.9,107.85 43.45,107.85 C16.1@43.7,107.6 ; v1(43.7,106.4) 43.7,107.1 ; 43.7,107.1 C16.1@43.7,107.6
  Top Layer w0.35: C16.1@44,107.9 45.6,107.9 45.9,108.2 45.9,114.3 49,117.4 63.75,117.4 65.7,115.45 69.15,115.45 70.84,117.14 Tp16.1@73.26,117.14
  Bottom Layer w0.25: U4.19@38.75,107.3 40.1,107.3 v1(40.4,107) ; v1(41.2,107) v1(42.3,107) ; L18.2@42.9,105.25 v1(42.9,106.4)
VDD_SD: C24.1 C25.1 J11.4 L7.2 R39.1 R40.1 R41.1 R42.1 R43.1 | length 37.4
  Inner w0.35: v1(57.6,116.2) 57.6,104 v1(57.2,103.6) 58.1,102.7 v1(60,102.7) 62.2,102.7 v1(63.1,103.6) v1(65,103.6) v1(70.5,103.6)
  Bottom Layer w0.25: v1(57.2,103.6) 57.225,103.575 R40.1@57.225,102.7 ; R41.1@59.1,102.7 v1(60,102.7) ; R39.1@63.1,102.7 v1(63.1,103.6) ; R42.1@65,102.7 v1(65,103.6) ; C24.1@69.5,102.7 v1(69.5,103.6)
  Bottom Layer w0.35: v1(57.6,116.2) 57.615,116.185 J11.4@57.615,114.925 ; R43.1@66.8,102.7 C25.1@68.2,102.7 C24.1@69.6,102.7 ; C24.1@70,102.55 70.05,102.5 L7.2@72,102.5
WKUP_V3: J7.35 U1.132 | length 40.8
  Top Layer w0.35: v1(2,39.9) 3.8,39.9 J7.35@3.89,39.99 ; U1.132@29.6,32.82 29.575,32.845 29.575,37.875 v1(30.2,38.5)
  Bottom Layer w0.35: v1(2,39.9) 2.4,39.9 4.175,41.675 9.328,41.675 10.953,43.3 17.91,43.3 24.31,36.9 28.6,36.9 v1(30.2,38.5)
pads on no net: J3.3 J9. J9.4 J13.7 J13.13 J13.14 U1.82 U1.83 U1.84 U1.85 U1.86 U1.87 U1.88 U1.89 U1.90 U1.91 U1.92 U2.2 U2.5 U4.3 U4.5 U4.6 U4.7 U4.8 U4.9 U4.10 U4.12 U4.13 U4.18 U4.21 U4.22 U4.23 U4.25 U4.27 U4.28 U4.29 U4.31 U4.32 U9.2 U9.3 U9.4 U9.5 U9.21 U9.22 U9.25 U9.56 U9.57 U9.58 U9.60 U9.62

## Polygon pours and split planes (outlines as drawn)
+3.3V on Top Layer "+3.3V" (solid, remove dead copper, pour order 22): 48.6,42 46.2,42 46.2,44.4 55.5,44.4 56.9,44.4 56.9,37.1 56,37.1 53.8,39.3 53.8,42
NetC1_1 on Top Layer "+3.3V_module" (solid, remove dead copper, pour order 21): 49,43.3 49,42 50.4,42 50.4,37.4 50.5,37.4 53.2,34.7 55.4,34.7 55.4,37.7 53.8,39.3 53.8,41.8 53.8,43.3
+24V on Top Layer "+24V" (solid, remove dead copper, pour order 23): 7.6,20.2 17.2,20.2 17.2,17.1 14.9,17.1 14.9,16.8 14.9,10.6 11.4,10.6 10.8,10.6 10.8,18.1 10.8,18.3 7.6,18.3
NetC5_1 on Top Layer "+5v_pre" (solid, remove dead copper, pour order 24): 32,27 32,19.7 21.1,19.7 21.1,19.9 21.1,27
SW_5V on Top Layer "sw" (solid, remove dead copper, pour order 25): 25.5,11 32,11 32,19.7 21.5,19.7 21.1,19.7 21.1,11
GND on Top Layer "gnd" (solid, remove dead copper, pour order 26): 0,0 84,0 84,120 64.7,120 cw(c58.1,143.744) 51.5,120 0,120
GND on Inner "gnd" (solid, remove dead copper, pour order 30): 53.8,21.1 64.6,21.1 64.6,12.1 64.6,11.7 53.8,11.7
NetC5_1 on Inner "+5v_pre" (solid, remove dead copper, pour order 28): 32,27 32,19.7 21.1,19.7 21.1,19.9 21.1,27
SW_5V on Inner "sw" (solid, remove dead copper, pour order 29): 25.5,11 32,11 32,19.7 21.5,19.7 21.1,19.7 21.1,11
VBATT on Inner "vbatt" (solid, remove dead copper, pour order 31): 45.6,103.9 51.3,103.9 51.3,117 66.6,117 66.6,106.1 66.6,106 71.5,106 71.5,118.9 45.6,118.9
VCC_USB on Inner "vdd_usb" (solid, remove dead copper, pour order 27): 45.6,103.9 45.6,111.4 38.3,111.4 38.3,103.9 45.5,103.9
VDD_SD on Inner "vdd_sd" (solid, remove dead copper, pour order 32): 51.5,118.9 66.5,118.9 66.5,114.7 66.5,106 71.5,106 71.5,103.5 70.9,102.9 70.5,102.5 63.2,102.5 63.1,102.5 62.5,101.9 62.4,102 57.8,102 57.1,102.7 52.6,102.7 51.5,103.8 51.5,118.9
+3.3V on Inner "+3.3V" (solid, remove dead copper, pour order 35): 48.9,21.7 34.9,21.7 34.9,21.8 34.9,19.1 33.3,19.1 34,19.1 34,24 34,34 43.8,34 43.8,99.2 41.1,99.2 33.8,91.9 8.5,91.9 8.5,93.5 8.5,101.1 50.8,101.1 52.451,99.449 71.949,99.449 73.8,101.3 73.8,103 74.2,103.4 76.1,103.4 76.1,101.233 78.7,101.233 78.7,52.6 78.7,33.6 58.9,33.6 58.9,52.6 52,52.6 53.3,52.6 53.3,50.1 53.3,38 48.8,38
+5V on Inner "+5V" (solid, remove dead copper, pour order 34): 48.9,12.5 32,12.5 32,27 15.2,27 14,27 14,21 6.8,21 6.8,33 6.8,64.9 6.8,91.9 33.8,91.9 41.1,99.2 43.8,99.2 43.8,34 41.9,34 34,34 34,24.9 34,21.7 48.9,21.7
GND on Inner "gnd" (solid, remove dead copper, pour order 36): 0.2,0.2 83.8,0.2 83.8,119.8 63.933,119.8 cw(c58.1,143.744) 52.267,119.8 0.2,119.8
+1.8V on Inner "+1.8V" (solid, remove dead copper, pour order 33): 14.5,94.4 12.7,94.4 12,95.1 12,98 14,100 33.1,100 35.1,102 36.95,103.85 51.3,103.85 52.55,102.6 69.3,102.5 69.3,102.6 72.6,105.9 76.7,105.9 76.7,110.2 82.5,110.2 82.6,110.1 82.6,14.2 48.9,14.2 48.9,38 53.4,38 53.4,50.1 52.1,50.1 52.1,52.6 58.9,52.6 58.9,35.6 65.55,35.6 65.55,33.65 78.6,33.6 78.6,101.1 73.65,101.15 72.05,99.55 53.05,99.55 51.5,101.1 37.3,101.1 35.1,98.9 34.5,98.3 14.7,98.3 14.5,98.3
NetC50_1 on Bottom Layer "+1.8_pre" (solid, remove dead copper, pour order 37): 48.2,60.5 50.8,60.5 50.8,57.2 51,57 52.1,57 52.5,56.6 53.5,55.6 55.3,55.6 55.3,52.4 53.2,52.4 52.9,52.1 52.9,50.3 52.4,49.8 49.7,49.8 49.6,49.9 49.4,50.1 49.4,51.3 49.2,51.5 45.8,51.5 45.8,56.3 46.1,56.6 46.5,57 47.9,57 48.2,57.3
NetC5_1 on Bottom Layer "+5v_pre" (solid, remove dead copper, pour order 38): 32,27 32,19.7 21.1,19.7 21.1,19.9 21.1,27
SW_5V on Bottom Layer "sw" (solid, remove dead copper, pour order 39): 25.5,11 32,11 32,19.7 21.5,19.7 21.1,19.7 21.1,11
GND on Bottom Layer "gnd" (solid, remove dead copper, pour order 40): 0,0 84,0 84,120 64.7,120 cw(c58.1,143.744) 51.5,120 0,120
GND on GND (split plane): 83.748,0.252 0.252,0.252 0.252,119.748 51.473,119.748 51.881,119.637 52.56,119.472 53.243,119.326 53.93,119.199 54.62,119.092 55.312,119.004 56.007,118.935 56.704,118.887 57.402,118.857 58.1,118.847 58.798,118.857 59.496,118.887 60.193,118.935 60.888,119.004 61.58,119.092 62.27,119.199 62.957,119.326 63.64,119.472 64.319,119.637 64.727,119.748 83.748,119.748

## Silkscreen, mask and mechanical layers (free items; w line width, h text height)
Top Overlay:
  region: 59,30.3 ccw(c59.3,30.3) 59.3,30 62.7,30 ccw(c62.7,30.7) 63.4,30.7 63.4,34.1 ccw(c63.2,34.1) 63.2,34.3 62.3,34.3 62.3,31.2 cw(c62.2,31.2) 62.2,31.1 59,31.1
  lines w0.1: 42.9,106.9 43.9,106.9 cw(c43.9,106.6) 44.2,106.6
  lines w0.3: 21.7,31.1 21.7,68.5 21.7,71.6 62.3,71.6 62.3,31.1 59,31.1 21.7,31.1
  text "_DB_" at 5.6,112.7 h2 r180
  text "Rev.A" at 5.9,110.8 h2 r180
  text "+" at 10.3,7.4 h3
  text "-" at 19.5,7.2 h4
  text "PWR" at 7.5,3 h2
Bottom Overlay:
  circle w0.2: c49,17.6 r0.141
  lines w0.2: 63.9,101.5 cw(c63.9,101.3) 64.1,101.3 64.1,95.7 ; 65.8,101.7 cw(c65.8,101.5) 66,101.5 66,95.9
Bottom Solder:
  text ".:DB:. Rev.A" at 82.7,86.4 h2 r90
  text "develboard" at 19.3,37.7 h12 r90
Outline:
  the board outline again, w0.2
Drawing:
  lines w0.2: 14,51.42 70,51.42 ; 42,23.42 42,79.42 ; 42,76.42 52,76.42 ; 62.1,1 67.1,1
  text "Mechanical Characteristics" at 0.5,126.5 h4
  text "D 3.2mm" at 81,121.6 h2
  text "D 3.2mm" at -2.3,121.1 h2
  text "D 3.2mm" at 74.6,88.6 h2
  text "D 3.2mm" at 3.1,88.4 h2
  text "D 3.2mm" at 74.1,19.3 h2
  text "D 3.2mm" at 3.3,19.1 h2
  text "D 3.2mm" at -7.2,4.6 h2
  text "D 3.2mm" at 76.5,-1.9 h2
Assembly_top:
  text "Assembly TOP" at 0.1,127 h4
Note_top:
  text "Note TOP" at 0.1,127 h4
PCB_Note:
  lines w0.2: 77.097,159.995 77.1,159.995
  text "Impedance control:" at 130.2,78.6 h5
  text "Top 100ohm +/-10% differential signal" at 133.9,73.5 h5
  text "Top 90ohm +/-10% differential signal" at 133.9,68.1 h5
Place_top:
  lines w0.2: 14,23.42 70,23.42 70,79.42 14,79.42 14,23.42
Drill Drawing:
  drawing of 182 lines, arcs and shapes, not listed
  text "Symbol" at 138.394,57.799 h1.8
  text "Hit Count" at 145.617,57.799 h1.8
  text "Finished Hole Size" at 154.99,57.799 h1.8
  text "Plated" at 170.7,57.799 h1.8
  text "Hole Type" at 177.764,57.799 h1.8
  text "2" at 145.617,54.756 h1.5
  text "0,900mm (35,43mil)" at 154.99,54.756 h1.5
  text "NPTH" at 170.7,54.756 h1.5
  text "Round" at 177.764,54.756 h1.5
  text "2" at 145.617,51.713 h1.5
  text "1,400mm (55,12mil)" at 154.99,51.713 h1.5
  text "PTH" at 170.7,51.713 h1.5
  text "Round" at 177.764,51.713 h1.5
  text "2" at 145.617,48.67 h1.5
  text "1,600mm (62,99mil)" at 154.99,48.67 h1.5
  text "PTH" at 170.7,48.67 h1.5
  text "Round" at 177.764,48.67 h1.5
  text "2" at 145.617,45.626 h1.5
  text "1,630mm (64,17mil)" at 154.99,45.626 h1.5
  text "PTH" at 170.7,45.626 h1.5
  text "Round" at 177.764,45.626 h1.5
  text "2" at 145.617,42.583 h1.5
  text "1,800mm (70,87mil)" at 154.99,42.583 h1.5
  text "PTH" at 170.7,42.583 h1.5
  text "Round" at 177.764,42.583 h1.5
  text "2" at 145.617,39.54 h1.5
  text "3,250mm (127,95mil)" at 154.99,39.54 h1.5
  text "PTH" at 170.7,39.54 h1.5
  text "Round" at 177.764,39.54 h1.5
  text "J" at 138.22,36.75 h1.01
  text "3" at 145.617,36.497 h1.5
  text "0,800mm (31,50mil)" at 154.99,36.497 h1.5
  text "PTH" at 170.7,36.497 h1.5
  text "Slot" at 177.764,36.497 h1.5
  text "E" at 138.22,33.707 h1.01
  text "4" at 145.617,33.454 h1.5
  text "0,250mm (9,84mil)" at 154.99,33.454 h1.5
  text "PTH" at 170.7,33.454 h1.5
  text "Round" at 177.764,33.454 h1.5
  text "4" at 145.617,30.41 h1.5
  text "0,900mm (35,43mil)" at 154.99,30.41 h1.5
  text "PTH" at 170.7,30.41 h1.5
  text "Round" at 177.764,30.41 h1.5
  text "4" at 145.617,27.367 h1.5
  text "1,020mm (40,16mil)" at 154.99,27.367 h1.5
  text "PTH" at 170.7,27.367 h1.5
  text "Round" at 177.764,27.367 h1.5
  text "4" at 145.617,24.324 h1.5
  text "2,300mm (90,55mil)" at 154.99,24.324 h1.5
  text "PTH" at 170.7,24.324 h1.5
  text "Round" at 177.764,24.324 h1.5
  text "5" at 145.617,21.281 h1.5
  text "0,350mm (13,78mil)" at 154.99,21.281 h1.5
  text "PTH" at 170.7,21.281 h1.5
  text "Round" at 177.764,21.281 h1.5
  text "8" at 145.617,18.237 h1.5
  text "0,890mm (35,04mil)" at 154.99,18.237 h1.5
  text "PTH" at 170.7,18.237 h1.5
  text "Round" at 177.764,18.237 h1.5
  text "8" at 145.617,15.194 h1.5
  text "0,920mm (36,22mil)" at 154.99,15.194 h1.5
  text "PTH" at 170.7,15.194 h1.5
  text "Round" at 177.764,15.194 h1.5
  text "A" at 138.22,12.404 h1.01
  text "8" at 145.617,12.151 h1.5
  text "1,700mm (66,93mil)" at 154.99,12.151 h1.5
  text "PTH" at 170.7,12.151 h1.5
  text "Round" at 177.764,12.151 h1.5
  text "8" at 145.617,9.108 h1.5
  text "3,200mm (125,98mil)" at 154.99,9.108 h1.5
  text "PTH" at 170.7,9.108 h1.5
  text "Round" at 177.764,9.108 h1.5
  text "12" at 145.617,6.064 h1.5
  text "0,950mm (37,40mil)" at 154.99,6.064 h1.5
  text "PTH" at 170.7,6.064 h1.5
  text "Round" at 177.764,6.064 h1.5
  text "915" at 145.617,3.021 h1.5
  text "0,300mm (11,81mil)" at 154.99,3.021 h1.5
  text "PTH" at 170.7,3.021 h1.5
  text "Round" at 177.764,3.021 h1.5
  text "995 Total" at 145.617,-0.022 h1.5
  text "Slot definitions :" at 138.394,-2.152 h1.5
  text "Rout Path Length" at 150.355,-2.152 h1.5
  text "= Calculated from tool start centre position to tool end centre position." at 162.781,-2.152 h1.5
  text "Physical Length" at 150.355,-3.37 h1.5
  text "= Rout Path Length + Tool Size = Slot length as defined in the PCB layout" at 161.635,-3.37 h1.5

## Dimensions
84,120 to 84,0 on Drawing
0,0 to 84,0 on Drawing
6.44,92.06 to 6.44,15.86 on Drawing
6.44,92.06 to 77.56,92.06 on Drawing

## Text inside footprints (layer, text, board x,y; h text height)
C4: Top Overlay "+" at 11.6,14.925 h0.9 r270; Note_top "+" at 11.8,12.325 h2
C5: Assembly_bot "+" at 28.6,25.3 h1; Note_bot "+" at 28.85,24 h1; Note_bot "+" at 28.85,23.3 h1; Bottom Overlay "+" at 25.6,21.2 h1.5
D1: Note_bot "K" at 12.5,19.35 h1 r90
D2: Note_bot "K" at 17,19.35 h1 r90
D3: Assembly_top "K" at 82.675,112.2 h0.5
D4: Assembly_top "K" at 79.275,107.2 h0.5
D5: Assembly_top "K" at 82.675,107.2 h0.5
D8: Assembly_top "K" at 79.275,112.2 h0.5
D17: Assembly_top "K" at 82.675,109.7 h0.5
DZ1: Note_top "K" at 29.65,13.4 h1 r180
J1: Top Overlay "2" at 10.12,96.46 h1.5; Top Overlay "38" at 55.34,96.46 h1.5; Top Overlay "20" at 32.48,96.46 h1.5; Top Overlay "19" at 32.48,86.76 h1.5; Top Overlay "37" at 55.34,86.76 h1.5; Top Overlay "1" at 10.12,86.76 h1.5; Top Overlay "51" at 73,86.76 h1.5; Top Overlay "52" at 73,96.46 h1.5
J7: Top Overlay "2" at 10.84,83.3 h1.5 r270; Top Overlay "38" at 10.84,38.08 h1.5 r270; Top Overlay "20" at 10.84,60.94 h1.5 r270; Top Overlay "19" at 1.14,60.94 h1.5 r270; Top Overlay "37" at 1.14,38.08 h1.5 r270; Top Overlay "1" at 1.14,83.3 h1.5 r270; Top Overlay "51" at 1.14,20.42 h1.5 r270; Top Overlay "52" at 10.84,20.42 h1.5 r270
J10: Top Overlay "2" at 27.02,107.75 h1.5; Top Overlay "1" at 27.22,104.95 h1.5; Top Overlay "4" at 33.5,108.9 h1.5; Top Overlay "3" at 32.8,102.7 h1.5
J16: Top Overlay "2" at 81.96,83.3 h1.5 r270; Top Overlay "38" at 81.96,38.08 h1.5 r270; Top Overlay "20" at 81.96,60.94 h1.5 r270; Top Overlay "19" at 72.26,60.94 h1.5 r270; Top Overlay "37" at 72.26,38.08 h1.5 r270; Top Overlay "1" at 72.26,83.3 h1.5 r270; Top Overlay "51" at 72.26,20.42 h1.5 r270; Top Overlay "52" at 81.96,20.42 h1.5 r270
U1: Top Overlay "42" at 63.088,68.52 h1.4 r270; Top Overlay "1" at 63.088,35.22 h1.4 r270; Top Overlay "develboard" at 23.8,74.42 h12; Top Overlay "20" at 63.1,50.92 h1.4 r270; Top Overlay "62" at 42.5,72.52 h1.4; Top Overlay "43" at 57.8,72.42 h1.4; Top Overlay "84" at 24.9,72.508 h1.4; Top Overlay "104" at 20.9,51.92 h1.4 r90; Top Overlay "85" at 20.9,67.22 h1.4 r90; Top Overlay "126" at 20.9,34.12 h1.4 r90; Top Overlay "146" at 41.5,30.32 h1.4 r180; Top Overlay "168" at 59.4,30.22 h1.4 r180; Top Overlay "127" at 26.5,30.32 h1.4 r180; Assembly_top "1" at 60.1,32.92 h2 r270; Note_top "1" at 60.1,32.92 h2 r270
U28: Note_bot "1" at 47.8,60.1 h1 r90